# KiCad board Preamp_1.kicad_pcb (continued)
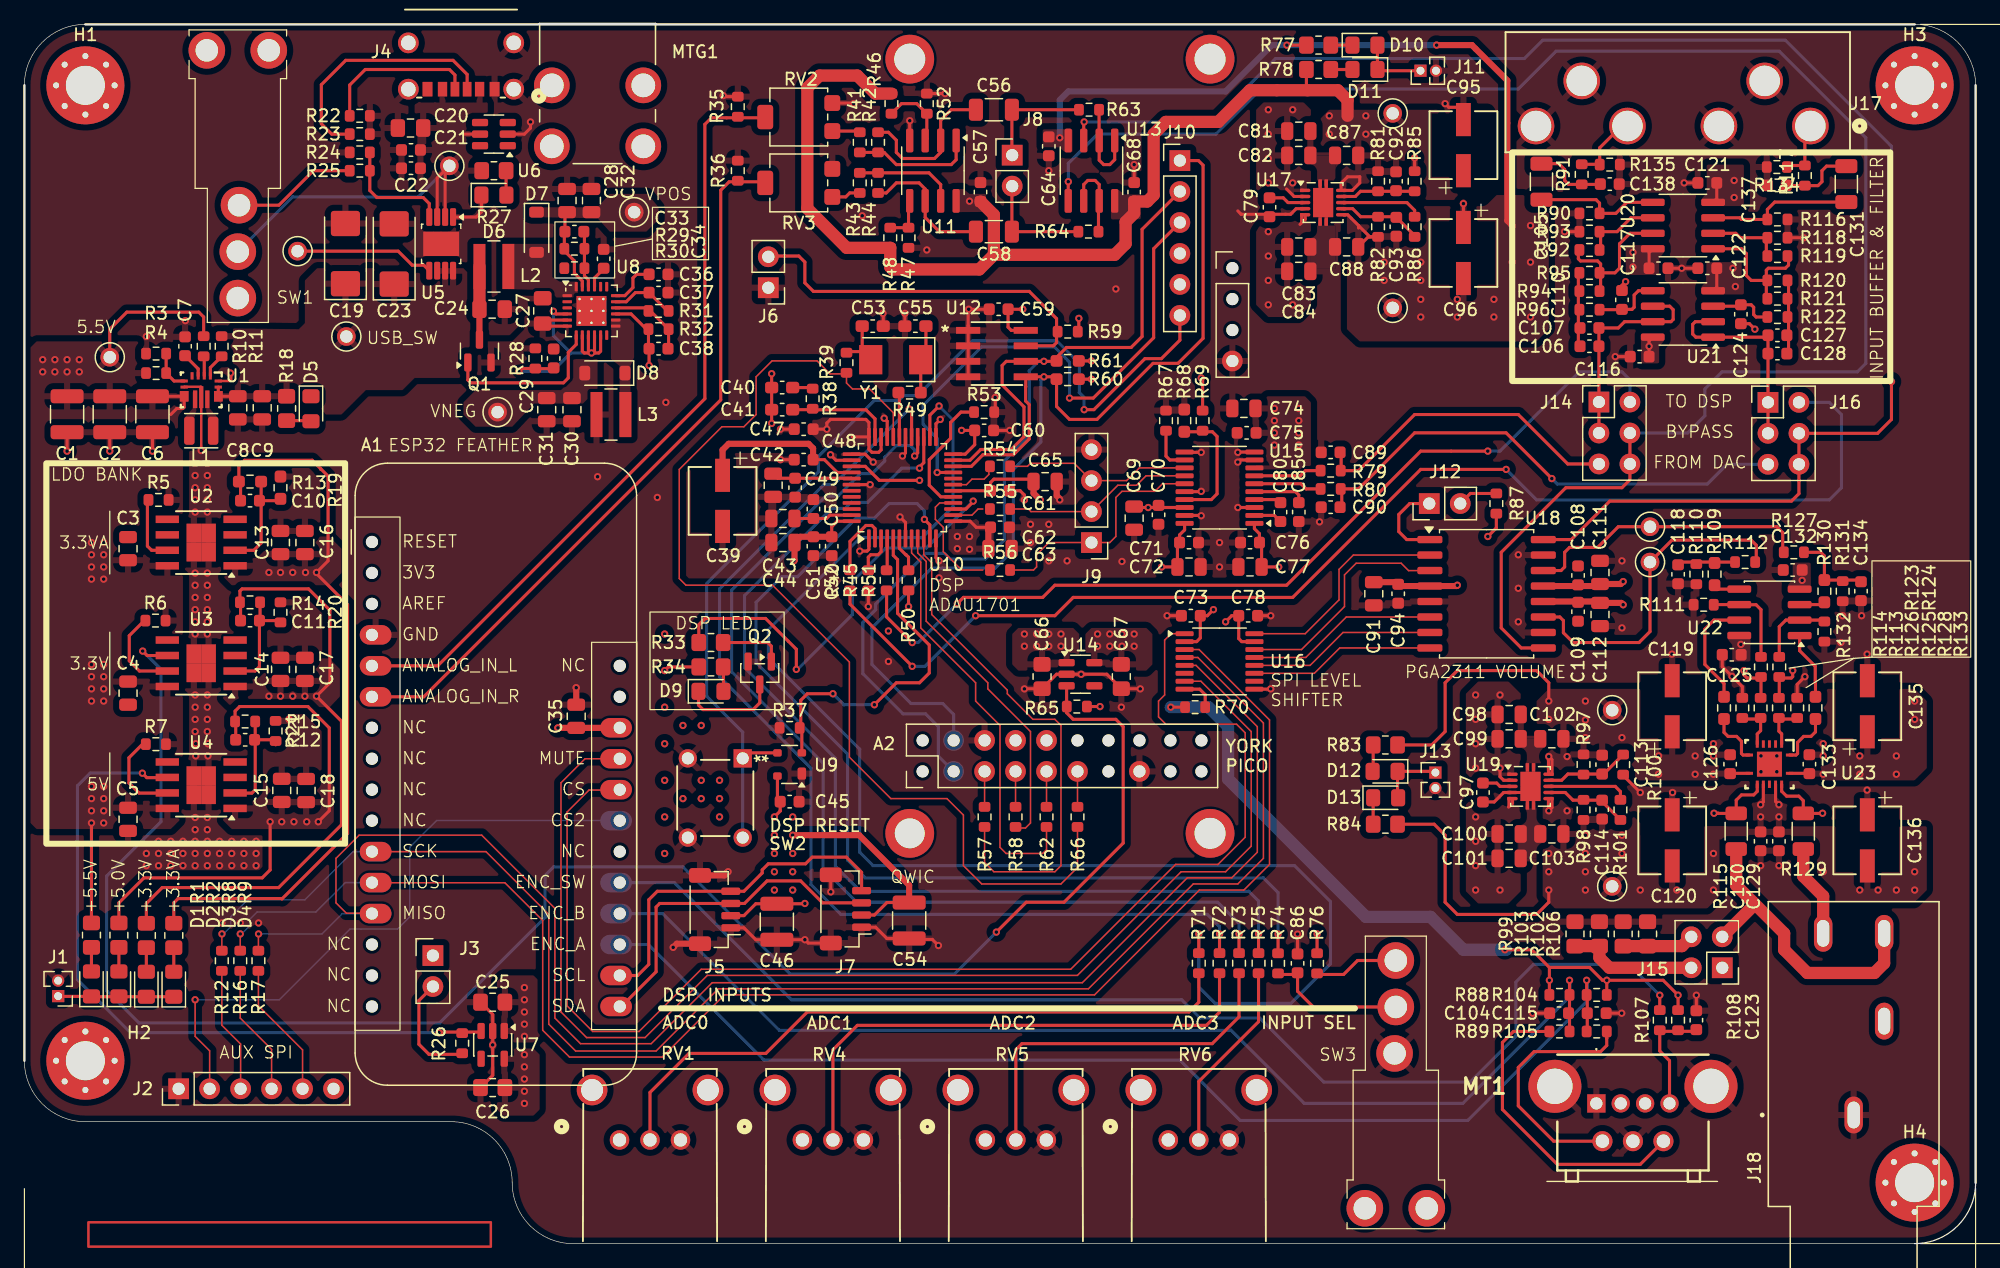
[diagram p0: board, top side]
## Nets (continued)
Net-(R119-Pad1): R119.1 R120.2 R121.2 U20.1
Net-(R133-Pad1): R133.1 U22.1
Net-(SW3-COM): C86.1 R74.1 SW3.2
Net-(U1-FB): R3.1 R4.2 U1.5
Net-(U1-L1): L1.1 U1.11
Net-(U1-L2): L1.2 U1.9
Net-(U1-PG): R10.2 U1.2
Net-(U1-PS_SYNC): R11.2 U1.1
Net-(U1-VAUX): C7.1 U1.3
Net-(U2-EN): R5.1 U2.7
Net-(U2-FB): C10.2 R13.1 R19.2 U2.2
Net-(U3-EN): R6.1 U3.7
Net-(U3-FB): C11.2 R14.1 R20.2 U3.2
Net-(U4-EN): R7.1 U4.7
Net-(U4-FB): C12.2 R15.1 R21.2 U4.2
Net-(U4-PG): R26.1 U4.6 U7.3
Net-(U5-*EN): R24.1 R25.2 U5.4
Net-(U5-*FLT): TP2.TP U5.5
Net-(U8-CN): C36.1 U8.18
Net-(U8-CP): C34.1 U8.21
Net-(U8-ENN): C29.1 R28.2 U8.4 U8.8 U8.9 U8.10 U8.11
Net-(U8-FBN): C38.1 R31.1 R32.2 U8.16
Net-(U8-FBP): C33.2 R29.1 R30.2 U8.22
Net-(U8-VREF): C37.1 R31.2 U8.17
Net-(U10-ADC0): R40.2 U10.2
Net-(U10-ADC1): R51.2 U10.4
Net-(U10-ADC_RES): R45.2 U10.3
Net-(U10-CM): C39.1 C48.1 U10.40
Net-(U10-FILTA): C43.1 C50.1 U10.47
Net-(U10-FILTD): C42.1 C49.1 U10.41
Net-(U10-OSCO): R49.2 U10.31
Net-(U10-PLL_LF): C41.2 R38.2 U10.35
Net-(U10-SELFBOOT): R50.2 U10.6
Net-(U10-VDRIVE): R53.1 U10.17
Net-(U11A-+): R46.1 R52.2 U11.3
Net-(U11A--): C56.2 R42.2 U11.2
Net-(U11B-+): R47.2 R48.1 U11.5
Net-(U11B--): C58.2 R44.2 U11.6
Net-(U13A--): R63.2 U13.1 U13.2
Net-(U13B--): R64.2 U13.6 U13.7
Net-(U14-EN): R65.1 U3.6 U14.3
Net-(U15-CAPM): C80.2 U15.4
Net-(U15-CAPP): C80.1 U15.2
Net-(U15-OUTL): R80.1 U15.6
Net-(U15-OUTR): R79.1 U15.7
Net-(U15-SCK): R67.2 U15.12
Net-(U15-VNEG): C85.1 U15.5
Net-(U15-XSMT): R68.2 R69.1 U15.17
Net-(U16-OE): R70.1 U16.8
Net-(U17-BUF): R86.2 U17.8
Net-(U17-FBN): C93.1 R82.2 R86.1 U17.7
Net-(U17-FBP): C92.2 R81.1 R85.2 U17.9
Net-(U17-NR/SS): C79.1 U17.3
Net-(U18-V_{OUT}L): R127.1 TP11.TP U18.14
Net-(U18-V_{OUT}R): R112.1 TP12.TP U18.11
Net-(U19-BUF): R101.2 U19.8
Net-(U19-FBN): C114.1 R98.2 R101.1 U19.7
Net-(U19-FBP): C113.2 R97.1 R100.2 U19.9
Net-(U19-NR/SS): C97.1 U19.3
Net-(U20A-+): C131.2 R116.2 U20.3
Net-(U20A--): R118.2 R119.2 U20.2
Net-(U20B-+): C105.2 R90.2 U20.5
Net-(U20B--): R92.2 R93.2 U20.6
Net-(U21A-+): C124.1 R122.1 U21.3
Net-(U21B-+): C110.1 R96.1 U21.5
Net-(U22A-+): R130.2 U22.3
Net-(U22A--): R124.1 R132.2 U22.2
Net-(U22B-+): R109.2 U22.5
Net-(U22B--): R111.2 R123.1 U22.6
Net-(U23A-LIN+): R133.2 U23.1
Net-(U23A-LIN-): R125.1 R128.1 U23.2
Net-(U23A-LOUT): R124.2 R125.2 R129.2 U23.13
Net-(U23B-RIN+): R113.1 R126.1 U23.6
Net-(U23B-RIN-): R114.2 U23.7
Net-(U23B-ROUT): R115.2 R123.2 R126.2 U23.9

Pads without a net: A1 1 2 3 7 8 9 10 14 15 16 22 27 28; A2 1 2 12 13 14 16 17 18 19 20 21 22 23 25; H1 1; H2 1; H3 1; H4 1; J18 4; MT1 2 3; MTG1 1 2 3 4; RV1 7 8; RV4 7 8; RV5 7 8; RV6 7 8; SW1 1 4 5; SW3 4 5; U2 3 4 6; U3 3 4; U4 3 4; U6 1 3 4 6; U7 4; U8 12 20; U10 20 43 44 45 46; U14 4; U16 7 10; U23 3 4 5 11

## Via types
v1: diameter 0.6, hole 0.3, Top to Bottom, 469 vias

## Routing (per net, layer and track width the routed paths; a pad name or vN(x,y) marks a point on that pad's centre or on a via; arc(x,y) is an arc through that point)
5.5V: length 25.4
  Top w0.254: 14.7,74.42 14.7,76 14.3,76.4 8.4,76.4 7,75 TP1.TP ; C6.1 U1.7 13.1,68.6 13,68.5 12.5,68.5 12,68 ; v1(5.5,34.5) R1.1
  vias: v1(1.5,72.5) v1(1.5,71.5) v1(2.5,72.5) v1(2.5,71.5) v1(3.5,72.5) v1(3.5,71.5) v1(4.5,72.5) v1(4.5,71.5) v1(5.5,57.5) v1(5.5,56.5) v1(5.5,55.5) v1(5.5,54.5) v1(5.5,47.5) v1(5.5,46.5) v1(5.5,45.5) v1(5.5,44.5) v1(5.5,37.5) v1(5.5,36.5) v1(5.5,35.5) v1(6.5,57.5) v1(6.5,56.5) v1(6.5,55.5) v1(6.5,54.5) v1(6.5,47.5) v1(6.5,46.5) v1(6.5,45.5) v1(6.5,44.5) v1(6.5,37.5) v1(6.5,36.5) v1(6.5,35.5) v1(6.5,34.5)
+1V8: length 21
  Top w0.254: U10.13 77.55,59.25 78.05,58.75 C62.1 ; U10.24 77.15,64.75 77.92,65.53 C60.1 v1(76.85,66.7) ; U15.18 v1(92.15,60.38) 91.07,60.38 C69.1 ; U10.39 68.95,63.75 70.1,62.6 v1(73.4,62.6) ; 72.5,53.49 72.5,52.15
  Top w0.5: C63.1 79.05,58.58 C62.1
  vias: v1(72.5,52.25) v1(76.5,58) v1(76.5,57) v1(77.5,58) v1(77.5,56.95) v1(88,50) v1(88,49) v1(89,50) v1(89,49) v1(90,50) v1(90,49) v1(91,50) v1(91,49)
+3.3V: length 167.6
  Top w0.25: v1(125.05,21.6) 125.05,22.65 ; 125.05,22.65 123.6,24.1 v1(121.4,24.1) ; 125.05,22.65 128.35,22.65 129.4,21.6 v1(129.75,21.6) 134.38,21.6 v1(135.6,20.38)
  Top w0.254: R60.1 87.55,70.9 ; U15.20 95.14,58.54 94.72,58.12 C71.1 94.55,57.33 C72.1 v1(93.25,55.5) ; J7.2 69.7,26.95 70.72,27.97 C54.1 ; v1(97.5,52) 97,51.5 C73.1 ; 86.46,74.8 v1(86.46,75.89) 86.45,75.9 ; R34.1 52.8,47.3 v1(52.5,47) ; U12.8 80.92,74.91 80.66,75.16 C59.1 v1(81.86,76.63) 81.9,76.6 ; v1(61.5,35) 62,35.5 61.97,35.53 C45.1 61.75,36.47 U9.4 ; C11.1 17.73,52.55 R14.2 17.67,53.53 17.85,53.7 23.3,53.7 25.05,51.95 25.05,46 v1(23.95,44.9) 26,42.85 26,34.35 20.85,29.2 11.3,29.2 10,27.9 R8.1 ; v1(64,27.9) 63.97,27.88 C46.1 59.97,27.88 59,26.9 J5.2 ; U10.18 C61.1 79.22,62.42 79.5,62.7 82.55,62.7 C65.1 ; U16.2 96.12,49.38 96.43,49.67 96.43,51.75 ; 135.65,20.53 135.6,20.47 R108.1 ; 125.03,21.6 125.05,21.58 R88.1 ; R104.1 129.75,21.53 129.78,21.55 ; R61.1 v1(87.5,72.4) 87.55,72.4 ; v1(94,44) R70.2 ; R65.2 v1(88.2,44.05)
  Top w0.5: v1(63,33.5) 68.45,33.5 72.55,29.4 C54.1 ; v1(83.3,61) 82.75,61.55 C65.1
  Bottom w1: 121.5,24.1 v1(121.4,24.1) 118,24.1 115.3,26.8 110,26.8 98.7,38.1 98.7,42.4 97.1,44 v1(94,44)
  vias: v1(20.05,44.9) v1(21,44.9) v1(22,44.9) v1(23,44.9) v1(52.5,50) v1(52.5,44) v1(52.5,41) v1(52.5,38) v1(52.5,35) v1(52.5,32) v1(54,42.5) v1(54,36.5) v1(55.5,42.5) v1(55.5,38) v1(55.5,36.5) v1(57,38) v1(57,36.5) v1(57,35) v1(61.5,33.5) v1(61.5,32) v1(61.5,30.5) v1(61.5,29) v1(63,35) v1(63,32) v1(63,30.5) v1(63,29) v1(82,50) v1(82,49) v1(83,50) v1(83,49) v1(84,50) v1(84,49) v1(85,50) v1(85,49) v1(87.5,70.9)
+3.3VA: length 88.1
  Top w0.254: C10.1 17.73,62.36 R13.2 17.59,63.79 18.05,64.25 23.6,64.25 24.3,63.55 ; 61.35,71.35 61.28,71.28 C40.1 C41.1 v1(61.28,67.28) ; 24.3,63.55 24.9,62.95 24.9,56 v1(23.95,55.05) 23.95,54.95 26.5,52.4 26.5,33.65 21.12,28.28 21.1,28.3 12.6,28.3 12.25,27.95 R9.1 ; 24.3,63.55 24.3,63.5 ; U10.36 69.25,67.35 69,67.6 66.1,67.6 65.8,67.3 v1(65.8,66.8) C47.1 ; U10.36 69.25,65.15 69.5,64.9 70.05,64.9 70.25,65.1 U10.34 ; U10.36 67.94,66.16 67.9,66.2 ; C52.1 66.2,58.8 66.65,59.25 U10.48 ; U15.1 100.86,58.64 101.28,58.22 C76.1 101.45,57.33 C77.1 v1(102.85,55.5)
  Top w0.5: 101.2,57.58 C76.1 ; C52.1 C51.1 63.62,57.97 C44.1 63.15,56.05 v1(63.1,56) ; 100.95,66.55 C75.1
  vias: v1(20.05,55.05) v1(21,55.05) v1(22,55.05) v1(23.05,55.05) v1(61.28,71.35) v1(102.5,68.5) v1(102.5,67.5) v1(102.5,66.5) v1(102.5,65.5) v1(104.5,68.5) v1(104.5,67.5) v1(104.5,66.5) v1(104.5,65.5)
+3V0: length 1.5
  Top w0.254: 106,23.9 v1(106,25.4)
  vias: v1(41,15.5) v1(41,14.5) v1(41,13.5) v1(41,12.5) v1(41,11.5)
+5V: length 61.2
  Top w0.254: R2.1 7.75,27.95 9.8,30 19.5,30 20.15,30.65 v1(20.15,34.6) ; U16.15 99.82,49.38 99.57,49.62 99.57,51.75 ; 35.9,15.53 33.17,15.53 32.35,16.35 32.35,19.94 J3.2 ; R87.2 120.7,58.7 v1(120,58) ; v1(24.1,34.6) 25,35.5 25,42.3 23.25,44.05 17.65,44.05 17.28,43.68 R15.2 17.33,42.78 C12.1 ; v1(98.5,51) 99,51.5 C78.1
  Top w0.5: v1(117.5,54) 117.44,53.94 U18.4 112.79,53.94 C94.1 112.47,54.25 C91.1
  vias: v1(21.1,34.6) v1(22.1,34.6) v1(23.15,34.6) v1(41,21) v1(41,20) v1(41,19) v1(41,18) v1(41,17)
+5VA: length 98.5
  Top w0.254: 140.72,49.77 U22.8 ; U21.8 133.22,74.05 v1(133.22,73.6) C116.1 ; 105.2,94.6 105.12,94.67 R78.1 ; U17.10 107.97,86.97 108.5,87.5 109.5,87.5 109.5,87 108.88,86.38 U17.10 ; U20.8 133.22,81.3 C117.1
  Top w0.5: v1(131.1,52.4) 130.95,52.55 C112.1 129.09,52.67 U18.12
  Top w1: C57.1 79.5,84.38 79.5,81.1 ; R46.2 69.78,94.33 68.3,95.8 65.2,95.8 64.2,94.8 64.2,84.9 67.42,81.67 R48.2 71,80.1 71.2,79.9 78.3,79.9 79.5,81.1 ; 79.5,81.1 89.4,81.1 90.3,82 90.3,83.8 91,84.5 C68.1 92.07,85.47 92.6,86 92.6,91 93.6,92 97.9,92 100.5,94.6 107.7,94.6 108.5,93.8 108.5,92.5
  vias: v1(77.5,85.5) v1(107,92.5) v1(107,91) v1(110,92.5) v1(110,91) v1(131.9,81.3) v1(131.9,80.1) v1(140.75,49.15)
+10V: length 82.8
  Top w0.25: U19.10 125.26,39.69 v1(125,39.95) 124.97,39.92 U19.10
  Top w0.254: U23.8 139.9,38.57 C126.1 ; C133.1 146.34,38.57 U23.14 ; R83.1 115.4,40.9 116.5,42 116.5,46 117.5,47 124,47 125,46 v1(125,44.5) ; 96.61,68.41 96.61,70.89 v1(96.5,71)
  In2.Cu w0.254: v1(96.5,71) 104,71 106,69 106,67 106.5,66.5 120,66.5 122,64.5 122,58.5 119.5,56 119.5,47.5 120.5,46.5 122,46.5 122.5,46 124.5,46 125,45.5 v1(125,44.5)
  vias: v1(125,43) v1(126.5,39.95) v1(128,44.5) v1(128,42.95) v1(128,41.5) v1(131,41.5) v1(134,40) v1(134,38.5) v1(137,40) v1(137,38.5) v1(138.5,38.5) v1(147.5,38.5) v1(150.5,40) v1(150.5,38.5) v1(153.5,40) v1(153.5,38.5) v1(155,44.5) v1(155,43)
-5VA: length 72.5
  Top w0.254: 109.4,83.5 109.4,83.3 ; 109.4,83.5 108.51,84.38 U17.6 ; 109.4,83.5 110.32,82.58 111,82.58 110.2,82.58 C88.2 ; C121.2 138.78,85.7 U20.4 ; C122.2 138.78,78.45 U21.4 ; 105.05,98.3 v1(103.53,98.3)
  Top w0.5: v1(115.8,98.3) 118.7,98.3 121.6,95.4 121.6,83.9 v1(122,83.5) ; v1(131.1,54.3) 130.9,54.1 C111.2 129.03,53.94 U18.13
  Bottom w0.5: v1(115.8,98.3) v1(103.53,98.3) 102.3,98.3 98.5,94.5 85.6,94.5 84.9,93.8 v1(84.9,90.7)
  vias: v1(111.5,80.5) v1(111.5,79) v1(114.5,80.5) v1(114.5,79) v1(114.5,77.45) v1(114.5,76) v1(117.5,77.45) v1(117.5,76) v1(120.5,77.45) v1(120.5,76) v1(122,80.5) v1(123.5,83.5) v1(123.5,80.5) v1(123.5,76) v1(140.1,80) v1(140.2,87.2) v1(140.2,85.8) v1(140.3,78.5) v1(145.78,54.4)
-10V: length 25.8
  Top w0.25: U19.6 124.97,35.53 v1(125,35.5) 125.26,35.76 U19.6
  Top w0.254: R84.2 115.6,34.4 116.5,33.5 116.5,28 117.5,27 124,27 125,28 v1(125,29) ; U23.12 143.59,36.28 v1(143.87,36) ; U23.10 142.59,36.22 v1(142.37,36)
  vias: v1(125,32) v1(125,30.5) v1(126.5,35.5) v1(128,33.5) v1(128,32) v1(128,30.5) v1(128,29) v1(131,33.5) v1(131,32) v1(132.5,29) v1(135.5,29) v1(138.5,32) v1(138.5,29) v1(142.37,35) v1(143.87,35) v1(147.5,30.5) v1(150.5,29) v1(152,29) v1(153.5,29) v1(155,30.5) v1(155,29)
GND: length 154.2
  Top w0.1: 14.4,70.25 14.5,70.15
  Top w0.2: v1(16.9,71.4) 16.95,71.35 16.95,70.9 16.8,70.75 U1.15 ; v1(14.5,65.05) U1.10 14.5,70.25 14.48,70.28 13.13,70.28 U1.6
  Top w0.25: U19.11 122.91,37 U19.4
  Top w0.254: v1(68,93.5) 67.95,93.55 RV2.1 ; R85.1 v1(114,89.05) ; 69.2,53.49 v1(69.2,52.25) 69.2,52.2 ; U15.16 96.47,61.67 v1(96.5,61.7) ; C60.2 v1(80.8,66.7) ; U12.4 77.39,75.3 ; 77.39,75.3 77.39,76.59 v1(77.44,76.63) C59.2 ; 77.39,75.3 U12.1 ; v1(99.5,64.9) 99.53,64.92 U15.10 ; v1(70.5,67.7) 70.75,67.45 U10.33 ; v1(74.95,24.45) 74.45,24.95 72.62,24.95 C54.2 70.72,25.03 69.8,25.95 J7.1 ; 140.87,44.85 140.87,45.68 v1(140.03,46.53) 139.22,47.33 C125.2 ; C86.2 104.4,25.29 ; v1(69.35,62.25) U10.42 ; U10.25 74.75,67.25 v1(75.1,67.6) ; J5.1 59,25.9 59.97,24.92 63.88,24.92 63.9,24.9 ; C104.2 123.73,18.9 123.68,18.95 ; v1(66.1,64.7) 66.55,64.25 U10.38 ; C2.2 v1(7,65) ; v1(71.8,59.6) 72.25,59.15 U10.7 ; 75.5,94.5 75.33,94.33 R52.1 ; C61.2 81.65,61.75 82,61.4 v1(82,61) 82.05,60.95 ; C26.1 38.4,13.8 v1(38.4,16.3) U7.2 38.4,18.8 C25.1 ; C55.2 v1(72.2,76.3) ; v1(69.6,64.1) 68.95,64.75 U10.37 ; 79.61,68.2 79.61,69.39 v1(79.6,69.4) ; U10.30 72.25,64.85 v1(72,64.6) ; v1(72.6,92.1) 72.59,92.09 U11.4 ; U5.1 37.05,84.2 37.47,84.62 D6.1 ; R35.1 57.39,94.08 v1(57.3,94.16) ; C122.1 v1(135.9,80) C117.2 ; J7.MP 64.28,24.65 v1(64,24.92) ; C97.2 120.53,36.22 121.3,37 U19.4 ; v1(82,45.5) 82.01,45.51 C66.1 84.64,46.7 U14.2 v1(86.65,46.7) 88.76,46.7 C67.1 91.49,45.51 v1(91.5,45.5) ; v1(70.4,76.3) 70.42,76.28 C53.2 ; U15.19 96.47,59.72 v1(96.5,59.7) ; v1(141.9,75) 141.45,75.45 C124.2 ; C123.2 v1(137.1,20.38) 137.05,20.42 ; 99.4,60.4 99.43,60.38 v1(99.5,60.38) U15.3 ; C73.2 v1(93.7,51.5) ; v1(132.5,37) 131.1,38.4 R100.1 ; C115.2 v1(130.98,18.9) ; 66.15,28.85 v1(66.12,28.85) J7.MP ; U15.11 95.16,64.9 v1(96.5,64.9) ; U10.1 69.25,56.95 69.1,56.8 v1(68.5,56.8) ; C1.2 v1(3.5,65) ; v1(41.5,92) 41.5,91.5 41,91 U6.2 ; 145.37,44.85 145.37,45.87 v1(146,46.5) ; v1(131.3,78.9) 131,78.6 C110.2 ; 144.66,82.5 v1(145.9,82.5) ; 131.68,72.75 v1(130.45,72.75) ; v1(116.5,93.5) 116.8,93.2 118,93.2 C95.2 ; C6.2 v1(10.5,65) ; U15.9 99.68,64.28 v1(99.5,64.1) 99.4,64 ; v1(62,64.3) C48.2 ; v1(75,56) 74.75,56.25 U10.12 ; C121.1 v1(136.1,87) ; C96.1 v1(118,85.3) ; C68.2 v1(91,88.5) ; 99.5,84.7 99.78,84.42 103.82,84.42 104.28,84.88 U17.4 ; v1(62,66.8) C47.2 ; C78.2 v1(102.2,51.5) ; U16.9 102.18,45.47 v1(102.2,45.5) ; 127.43,83 v1(126.3,83)
  Top w0.5: 45.2,45.6 45.25,45.55 C35.2 ; J5.MP 57.4,30.2 v1(57.7,30.5) ; C65.2 84.65,61.35 84.9,61.1 ; J5.MP 53.5,24.6 v1(53.2,24.3)
  vias: v1(10,74.4) v1(10,32) v1(10,31) v1(11,33) v1(11,32) v1(11,31) v1(12,33) v1(12,32) v1(12,31) v1(13,33) v1(13,32) v1(13,31) v1(13.2,75.7) v1(14,64) v1(14,63) v1(14,62) v1(14,61) v1(14,60) v1(14,55) v1(14,54) v1(14,53) v1(14,52) v1(14,51) v1(14,50) v1(14,45) v1(14,44) v1(14,43) v1(14,42) v1(14.05,41) v1(14.05,40) v1(14,34.95) v1(14,33.95) v1(14,33) v1(14,32) v1(14,31) v1(15,64) v1(15,63) v1(15,62) v1(15,61) v1(15,60) v1(15,55) v1(15,54) v1(15,53) v1(15,52) v1(15,51) v1(15,50) v1(15,45) v1(15,44) v1(15,43) v1(15,42) v1(15.05,41) v1(15.05,40) v1(15,34.95) v1(15,33.95) v1(15,33) v1(15,32) v1(15,31) v1(16,33) v1(16,32) v1(16,31) v1(16.2,26.3) v1(17,33) v1(17,32) v1(17,31) v1(17.7,26.3) v1(18,33) v1(18,32) v1(18,31) v1(19,33) v1(19,32) v1(19,31) v1(19.2,26.3) v1(21.7,43) v1(45.25,45.6) v1(47,62.9) v1(51.9,61.2) v1(52.6,69) v1(68.7,84.3) v1(70.85,50.25) v1(70.85,47.75) v1(74,81.5) v1(75,54.6) v1(75.5,94.33) v1(82.5,59) v1(82.5,57.5) v1(84,88) v1(84,59) v1(84,56) v1(84.9,61) v1(85.5,56) v1(89.5,78.3) v1(89.95,44) v1(90,55.95) v1(98,57.5) v1(98,55.5) v1(104.4,25.39) v1(106.2,59.2) v1(122.5,56.5) v1(122.5,53.75) v1(122.5,51) v1(123.68,18.9) v1(131,56) v1(131,50.5) v1(135.1,48.35) v1(135.15,37) v1(138.5,41) v1(138.5,40) v1(142.4,40) v1(142.4,38.7) v1(142.37,31) v1(143.7,40) v1(143.7,38.7) v1(143.87,31) v1(147.5,41) v1(147.5,40) v1(148.95,49.3) v1(149.1,51.5) v1(150.65,51.5) v1(151.1,48.35) v1(151.1,37.2)
5102_OUTL: length 40.9
  Top w0.254: 107.94,60.4 108.03,60.49 108.03,61.9 109.4,61.9 114,66.5 121.5,66.5 v1(125.25,62.75)
  Bottom w0.254: J16.5 139.62,63.92 138,62.3 125.7,62.3 v1(125.25,62.75) 125.2,62.8
5102_OUTR: length 26.2
  Top w0.254: J14.5 126.56,63.94 122.5,68 114,68 109.4,63.4 108.03,63.4 107.97,63.45 107.97,64.9
/Digital/BCK: length 2.8
  Top w0.12: 81.28,38.73 81.28,35.91
/Digital/CHIP_SELECT: length 108.6
  Top w0.12: U16.1 94.03,50.03 93.5,49.5 93.5,45 93,44.5 93,43.2 93.6,42.6 99.4,42.6 100.11,41.89 100.11,33.33 97.87,31.1 94.4,31.1 85.8,22.5 55.5,22.5 50.4,17.4 46.6,17.4 44.5,19.5 44.5,35.4 46.3,37.2 48.79,37.2 A1.24
/Digital/CHIP_SELECT2: length 52
  Top w0.12: v1(14,20) 14,17 15.19,15.81 J2.2
  Bottom w0.12: A1.23 48.81,34.7 33.8,34.7 31.6,32.5 31.6,26.8 30.6,25.8 26.7,25.8 20.9,20 v1(14,20)
/Digital/ENC_A_IN: length 20.4
  Top w0.254: MT1.A 125.4,8.4 122.5,11.3 122.5,14.45 123.8,15.75 129.25,15.75 129.75,16.25 129.75,16.85 129.75,16.86 R105.1
/Digital/ENC_B_IN: length 25.6
  Top w0.254: R89.1 122.1,17.4 121.2,16.5 121.2,11 125.7,6.5 132.5,6.5 MT1.B
/Digital/ESP_SCL: length 29.1
  Top w0.254: J7.4 68.65,30.45 67.4,31.7 64.6,31.7 64.05,31.15 61,31.15 60.5,30.65 60.5,30.4 59,28.9 J5.4 51.9,28.9 51.2,28.2 51.2,22.9 50.29,21.99 A1.18
/Digital/ESP_SDA: length 27.9
  Top w0.254: A1.17 48.95,19.45 51.8,22.3 51.8,27.6 52.1,27.9 J5.3 59.05,27.9 60.9,29.75 63.65,29.75 65.45,27.95 J7.3
/Digital/MCLK: length 2.9
  Top w0.12: 86.36,38.73 86.36,35.81
/Digital/MISO: length 131.8
  Top w0.12: A1.13 28.47,27.1 26.4,27.1 25.55,27.95 25.55,31.6 27.45,33.5 37.5,33.5 43.5,27.5 43.5,18.5 45.6,16.4 51.4,16.4 56.4,21.4 86.75,21.4 95.35,30 99,30 101.1,32.1 101.1,42.4 96.07,47.42 U16.5 ; v1(19.2,25.4) 19.19,25.39 19.19,24.11
  Bottom w0.12: A1.13 26.07,27.07 24.4,25.4 v1(19.2,25.4)
/Digital/MISO2: length 11.1
  Top w0.12: 19.19,22.29 19.19,19.51 22.81,15.89 J2.5
/Digital/MOSI: length 126.7
  Top w0.12: 17.7,24.11 v1(17.7,25.4) ; A1.12 28.51,29.6 39.4,29.6 42.5,26.5 42.5,17.5 44.7,15.3 52.3,15.3 57.4,20.4 87.75,20.4 96.35,29 100,29 102.1,31.1 102.1,42.95 96.33,48.72 U16.3
  Bottom w0.12: A1.12 26.31,29.61 23.9,27.2 19.08,27.2 18.48,26.6 18.48,26.06 17.82,25.4 v1(17.7,25.4)
/Digital/MOSI2: length 10.7
  Top w0.12: J2.4 20.27,15.93 17.7,18.5 17.7,22.29
/Digital/PGA_MUTE: length 105
  Top w0.12: 95.14,46.12 96.47,46.12 100.6,42 100.6,32.6 98.5,30.5 94.85,30.5 86.35,22 56,22 50.9,16.9 46.1,16.9 44,19 44,37.8 45.97,39.77 A1.25
/Digital/SCK: length 128.3
  Top w0.12: A1.11 37.85,32.15 43,27 43,18 45.2,15.8 51.8,15.8 56.9,20.9 87.25,20.9 95.85,29.5 99.5,29.5 101.6,31.6 101.6,42.7 96.22,48.08 U16.4 ; 16.19,24.11 16.19,25.39 v1(16.2,25.4)
  Bottom w0.12: A1.11 26.95,32.15 23,28.2 18.3,28.2 16.92,26.82 16.92,26 16.32,25.4 v1(16.2,25.4)
/Digital/SCK2: length 10.2
  Top w0.12: J2.3 17.73,16.37 16.19,17.91 16.19,22.29
/Digital/SD: length 2.8
  Top w0.12: A2.5 78.73,35.91
/Digital/WCK: length 2.8
  Top w0.12: A2.9 83.81,35.91
/DSP/5102_BCK: length 15.3
  Top w0.12: U15.13 91.43,63.62 90.38,62.58 J9.3 86.08,64 82.5,64 82.25,63.75 80.91,63.75
/DSP/5102_DIN: length 15.5
  Top w0.12: 80.91,60.25 82.33,60.25 82.54,60.04 J9.2 89.66,62.2 91.2,62.2 91.97,62.97 U15.14
/DSP/5102_LRCK: length 19.6
  Top w0.12: 80.91,55.25 82.75,55.25 83,55.5 83,56.5 84,57.5 J9.1 89,57.5 89.5,58 89.5,61.2 90,61.7 92.7,61.7 93.32,62.33 U15.15
/DSP/DATA_OUT: length 2.6
  Top w0.12: 78.59,60.25 78.2,60.25 77.7,59.75 U10.14
/DSP/OUTPUT_BCK: length 3.9
  Top w0.12: 79.09,63.75 79.09,63.09 78.7,62.7 77.7,62.7 77.25,62.25 U10.19
/DSP/OUTPUT_LRCK: length 9.4
  Top w0.12: 78.59,55.25 76.85,55.25 75.35,56.75 75.35,58.75 74.7,59.4 74.7,60.4 75.05,60.75 U10.16
/DSP/RESET: length 110.5
  Top w0.254: v1(86.9,68.4) 87.7,68.4 91.88,72.58 93.23,72.58 94.75,74.1 J10.6 ; 63.66,42.3 63.66,44.56 64.2,45.1 v1(66.3,45.1) ; 63.66,42.3 63.71,42.25 ; 63.66,42.3 63.75,42.21 U9.2 ; v1(69.7,44.2) 71.5,46 73.4,46 74.2,46.8 74.2,49.1 71.6,51.7 71.6,56.1 71.25,56.45 U10.5 ; U9.3 59.35,40.25 SW2.1
  Bottom w0.254: v1(66.3,45.1) 67.2,44.2 v1(69.7,44.2) ; SW2.2 SW2.1 58.9,41.95 55.95,44.9 55.95,54.15 65.1,63.3 65.1,64.56 69.69,69.15 71.7,69.15 72.1,69.55 73.25,69.55 77.75,74.05 84.65,74.05 86.5,72.2 86.5,69.8 86.9,69.4 v1(86.9,68.4)
/DSP/WP: length 44.2
  Top w0.254: 74.8,63.3 v1(74.85,63.25) U10.21 ; J10.3 92.6,81.6 92.6,74.3 87.65,69.35 v1(85.7,69.35)
  Bottom w0.254: 85.7,69.3 v1(85.7,69.35) 85.7,72.3 84.45,73.55 78.5,73.55 73.7,68.75 73.7,67.2 74.85,66.05 v1(74.85,63.25)
/DSP/WP_ROM-A: length 31.7
  Top w0.254: 60.7,81 63.5,81 64,80.5 64,78.8 64.7,78.1 82.4,78.1 84.64,75.86 84.64,73.9 84.37,73.63 U12.7
/Output_Amplification/ZCEN: length 7.1
  Top w0.254: U18.1 113.35,57.75 112.7,58.4 112.7,59.8 113.6,60.7 J12.1
/Power/VNEG: length 9.3
  Top w0.25: U19.5 122.03,36.12 121.74,35.84 ; U19.5 121.74,35.84 ; 121.74,35.84 121.7,35.8
  Top w0.254: 104.74,83.74 104.6,83.6 ; 104.74,83.74 105.03,84.03 U17.5 ; 104.74,83.74 U17.5 ; U8.15 49.75,76.25 51,75 R32.1 51.17,73.45 C38.2 v1(51.22,72.03) 51.2,72
  vias: v1(102,83) v1(102,81) v1(102,79) v1(102,77) v1(104,77) v1(119,35) v1(119,33) v1(119,31) v1(119,29) v1(121,29)
/Power/VPOS: length 10.4
  Top w0.254: C28.1 44.33,84.42 C33.1 44.28,82.95 44.28,81.42 45.1,80.6 45.1,79.6 45.75,78.95 U8.23 ; U19.2 121.3,38 121,38.3 v1(121,39) ; 103.5,86.5 104.12,85.88 U17.2
  vias: v1(102,93) v1(102,91) v1(102,89) v1(102,87) v1(104,93) v1(104,87) v1(119,45) v1(119,43) v1(119,41) v1(119,39) v1(121,45)
/USBC Input/USBC_CC1: length 20.3
  Top w0.254: R23.1 25.2,91 24.35,91.85 24.35,95.05 26.35,97.05 35.15,97.05 36.31,95.89 J4.A5
/USBC Input/USBC_CC2: length 13
  Top w0.254: J4.B5 35.31,95.84 34.85,96.3 27.95,96.3 26.67,95.03 R22.1
/USBC Input/USBC_VBUS: length 30.6
  Top w0.254: U5.2 34.5,88.05 TP4.TP 33.85,87.4 U5.3 ; U6.5 36,91
  Bottom w0.254: TP4.TP 32.3,85.85 21.99,85.85 SW1.2
ANALOG_IN_L: length 64.4
  Top w0.254: 61.07,92.4 61.01,92.34 56.34,92.34 55.8,91.8 55.8,69.3 33.89,47.39 A1.5
ANALOG_IN_R: length 59.9
  Top w0.254: A1.6 32.75,44.85 57.1,69.2 57.1,86.4 57.79,87.09 60.66,87.09 RV3.2
CS: length 18.5
  Top w0.12: U16.16 105.03,50.03 107.8,52.8 107.8,55.3 108.97,56.47 U18.2
DATA_IN: length 42.2
  Top w0.12: 78.73,34.09 78.73,31.27 79.5,30.5 84.5,30.5 85,31 85,42.5 84.5,43 82.7,43 80.6,45.1 80.6,45.4 74.4,51.6 74.4,55.85 73.75,56.5 U10.10
DSP_IN_L: length 102.5
  Top w0.254: 67.7,53.49 67.7,52.45 v1(72.8,47.35) ; v1(78,51.5) 84.5,51.5 86,53 104,53 114.5,63.5 v1(121.5,63.5)
  Bottom w0.254: v1(121.5,63.5) 124,61 148,61 149,62 149,68 148,69 J16.2 ; v1(72.8,47.35) 73.85,47.35 v1(78,51.5)
DSP_IN_R: length 75.2
  Top w0.254: v1(72.8,49.3) 70.7,51.4 70.7,53.49 ; v1(76.5,52.5) 77,53 83.5,53 84.5,54 103.5,54 114.5,65 v1(120,65)
  Bottom w0.254: v1(76.5,52.5) 73.3,49.3 v1(72.8,49.3) ; J14.2 131.65,70.85 131,71.5 127.5,71.5 121,65 v1(120,65)
DSP_LED: length 36.8
  Top w0.254: 55.83,51.28 60.78,51.28 63.3,48.75 v1(63.3,47.1) ; 55.83,51.28 55.3,50.75 R33.1 ; 55.83,51.28 55.35,50.8 ; U10.15 77.2,60.25 77.8,60.85 v1(77.8,60.9)
  Bottom w0.254: v1(63.3,47.1) 63.4,47.1 67.9,51.6 67.9,54.3 70.65,57.05 73.95,57.05 v1(77.8,60.9)
ENC0_A: length 95.4
  Top w0.254: 128.03,21.65 128.1,21.58 128.1,20.4 ; 128.16,20.4 128.16,17.45 128.1,17.4
  Bottom w0.254: A1.19 51.17,24.53 60.65,15.05 94.75,15.05 99.7,10.1 118.35,10.1 128.18,19.92 128.18,21.53 v1(128.1,21.6)
ENC0_B: length 93.7
  Top w0.254: R89.2 R88.2 126.7,21.68 126.68,21.7
  Bottom w0.254: v1(126.7,21.6) 126.75,21.55 126.75,20.3 117.95,11.5 104.95,11.5 98.95,17.5 61.9,17.5 52.33,27.07 A1.20
ENC0_SW_IN: length 100.9
  Top w0.254: 134.15,20.38 134.1,20.33 134.1,19.24
  Bottom w0.254: A1.21 53.29,29.61 62.9,20 94.9,20 96.4,18.5 101.3,18.5 106.55,13.25 118.55,13.25 122.3,17 122.3,21.45 123.75,22.9 131.57,22.9 v1(134.1,20.38)
INPUT_BCK: length 28.6
  Top w0.12: U10.9 73.25,56.65 73.95,55.95 73.95,51.05 79,46 79,45.5 82.5,42 82.5,34.5 82.09,34.09 81.28,34.09
INPUT_LRCK: length 34.3
  Top w0.12: 83.81,34.09 83.81,32.31 83.5,32 80.5,32 80,32.5 80,42.5 78,44.5 78,46 73.5,50.5 73.5,55.9 72.75,56.65 U10.8
INPUT_MCLK: length 89.9
  Top w0.12: U10.32 71.25,68.15 69.3,70.1 67.9,70.1 67.41,70.59 67.41,71.34 66.06,71.34 65,72.4 61.31,72.4 60,71.09 60,68 59,67 57.2,67 53.7,63.5 53.7,54.55 54.25,54 61.35,54 67.65,47.7 67.65,39.9 71.05,36.5 75.65,36.5 77,35.15 77,31 78.5,29.5 85,29.5 86.36,30.86 86.36,33.99
LEFT_FILTERED: length 132
  Top w0.254: U13.3 86.86,91.97 v1(86.9,92) ; v1(153.1,70.7) 153.1,67.6 151.96,66.46 J16.4 J16.6 145.51,61.52 144.9,60.9 130,60.9 126.84,57.75 U18.16
  Bottom w0.254: v1(86.9,92) 97.4,92 102.6,97.2 123,97.2 124.5,98.7 144.4,98.7 153.1,90 v1(153.1,70.7)
LEFT_OUT: length 7.6
  Top w1: J18.3 147.5,28.5 145.87,30.13 R129.1
MUTE: length 15.2
  Top w0.12: U16.11 105.78,46.78 107.85,48.86 115.25,48.86
POT0_WIPER: length 116.3
  Top w0.254: 96.3,23.91 v1(96.3,25.4) 96.3,25.5 ; U10.26 74.25,67.95 v1(75,68.7)
  Bottom w0.254: v1(96.3,25.4) 96.3,21.05 97.65,19.7 103.85,19.7 107.1,22.95 107.1,28.05 104.15,31 69.6,31 68.5,32.1 68.5,40.55 61,48.05 61,50.35 68.55,57.9 73.6,57.9 76.15,60.45 76.15,67.55 v1(75,68.7)
POT1_WIPER: length 88.5
  Top w0.254: 98,23.91 v1(98,25.4) ; U10.29 72.75,68.25 v1(72.55,68.45) 72.5,68.5
  Bottom w0.254: v1(98,25.4) 98,26 97,27 66.95,27 64.5,29.45 64.5,39 57,46.5 57,53.7 65.56,62.26 66.36,62.26 v1(72.55,68.45)
POT2_WIPER: length 86.7
  Top w0.254: v1(73,64.6) 73.25,64.85 U10.28 ; 99.6,23.91 v1(99.6,25.4)
  Bottom w0.254: v1(73,64.6) 73,65.1 72.65,65.45 71.5,65.45 70.55,64.5 70.55,64.19 69.51,63.15 68.55,63.15 66.7,61.3 65.7,61.3 58,53.6 58,46.9 65.5,39.4 65.5,30.75 68.25,28 97.85,28 99.6,26.25 v1(99.6,25.4)
POT3_WIPER: length 86.6
  Top w0.254: v1(73.4,63.6) 73.4,63.7 73.75,64.05 U10.27 ; 101.2,23.91 101.2,25.3